# Altium PCB PCB1.PcbDoc (part 1 of 2)
Units mm, origin at the board's own origin, x right, y up, seen from the top; angles counter-clockwise.
Board outline 338.07 x 271.78 mm, 2 copper layers (Top Layer, Bottom Layer); 325 components, 244 nets, 1138 pads, 26 vias.
Unrouted connection lines stored in the file: 636.
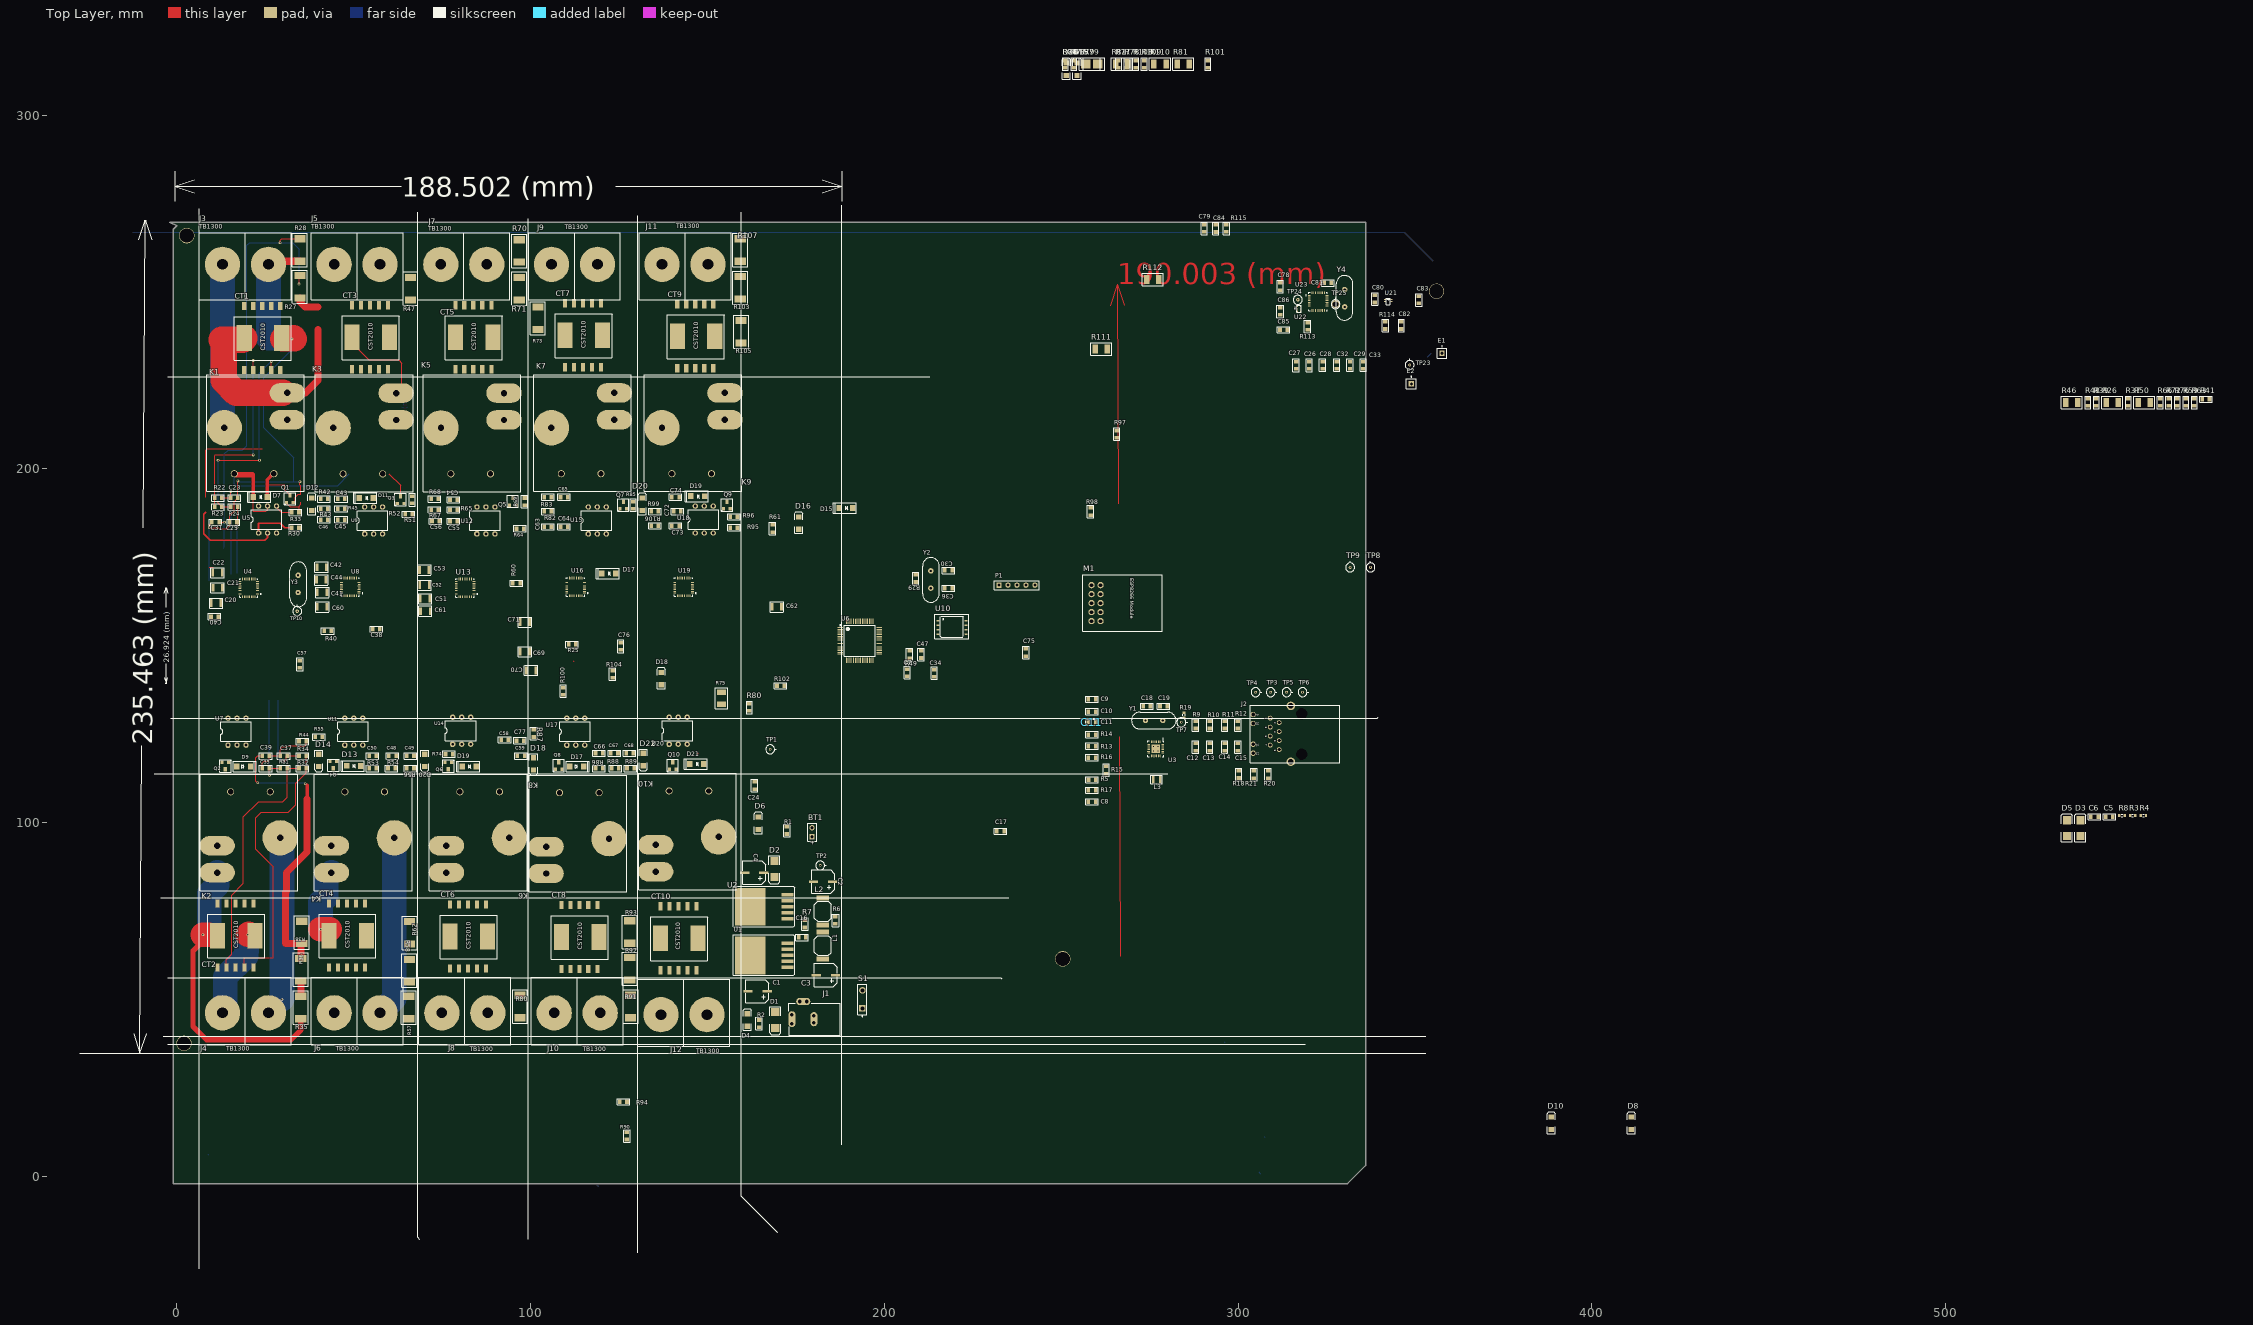
[diagram p0: Top Layer view]
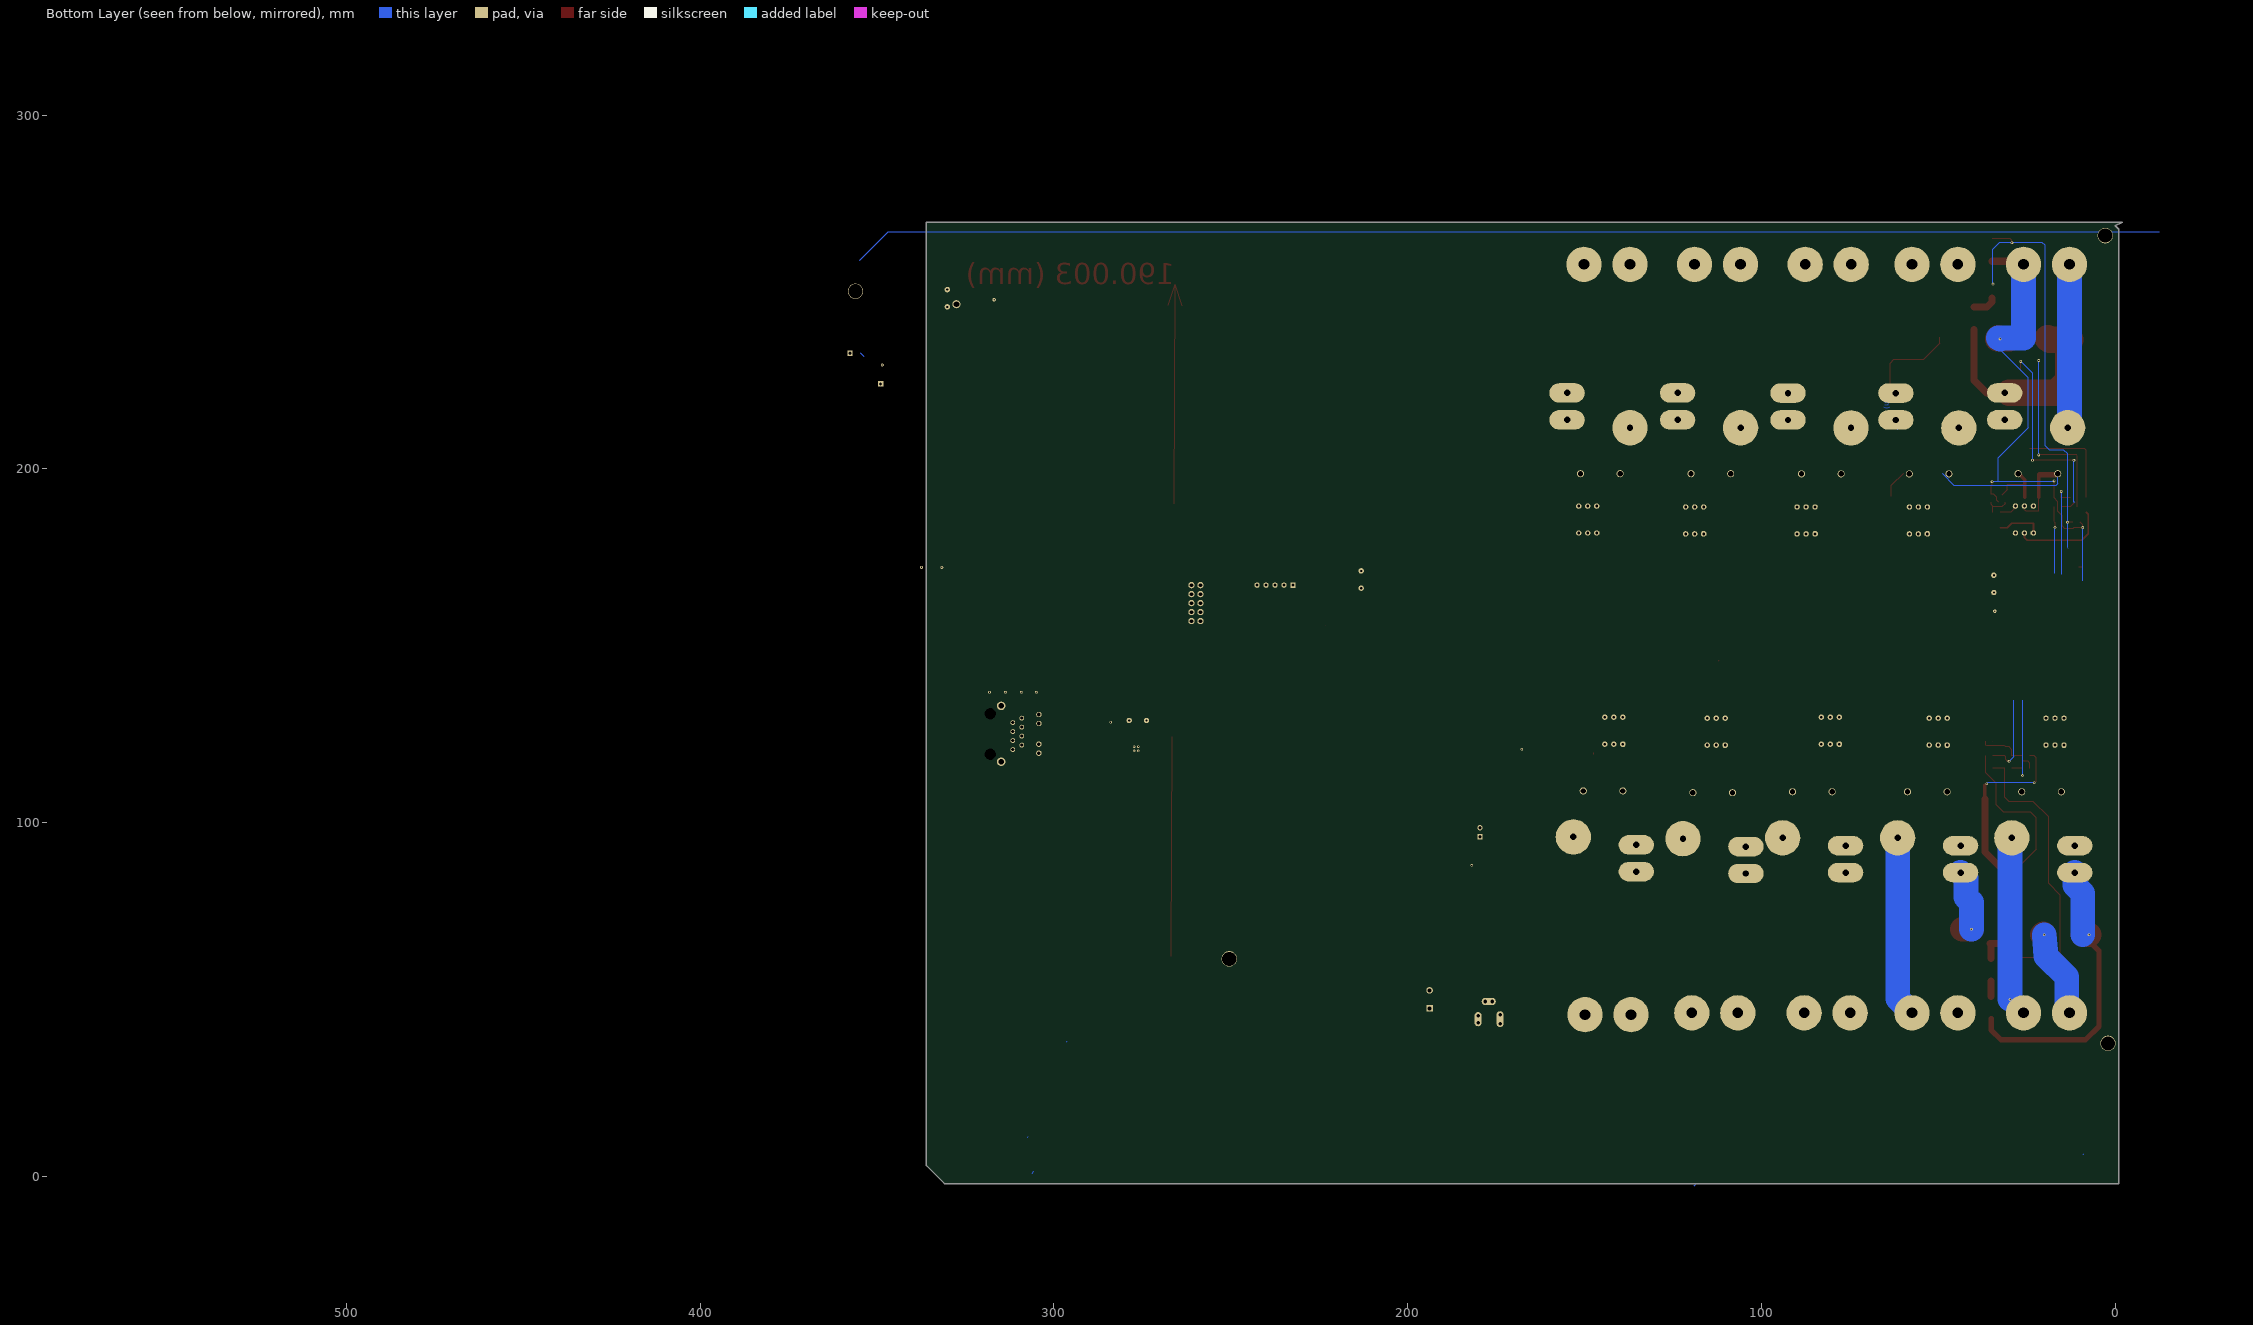
[diagram p1: Bottom Layer view, seen from below]

## Layer stack, top to bottom
Top Layer: signal copper 0.0356
Dielectric: dielectric 0.32, FR-4, Dk 4.8
Bottom Layer: signal copper 0.0356

## Board outline
0,268.732 -1.016,267.716 -1.016,-2.032 330.962,-2.032 336.042,3.048 336.042,269.748 -2.032,269.748

## Design rules (kind name [scope] priority, off if disabled: settings)
Clearance Clearance_1 [All] p1: gap=0.22
Clearance [All] p2: gap=0.2
PolygonConnect [All] p1: connectstyle=Relief reliefconductorwidth=0.254 reliefentries=4 polygonreliefangle="90 Angle" airgapwidth=0.254
RoomDefinition Sheet2 [InComponentClass('Sheet2')] p1: confinementstyle=ConfineIn formatcopy=TRUE lockcomponents=FALSE outline 532.384,104.963 1396.386,104.963 1396.386,221.163 532.384,221.163
RoomDefinition Sheet1 [InComponentClass('Sheet1')] p2: confinementstyle=ConfineIn formatcopy=TRUE lockcomponents=FALSE outline 532.384,63.68 591.24,63.68 591.24,103.13 532.384,103.13
RoomDefinition Sheet4 [InComponentClass('Sheet4')] p3: confinementstyle=ConfineIn formatcopy=TRUE lockcomponents=FALSE outline 250.041,317.979 356.441,317.979 356.441,325.579 250.041,325.579
RoomDefinition Sheet3 [InComponentClass('Sheet3')] p4: confinementstyle=ConfineIn formatcopy=TRUE lockcomponents=FALSE outline 249.941,270.179 883.44,270.179 883.44,316.779 249.941,316.779
RoutingCorners RoutingCorners_1 [All] p1: cornerstyle=45-Degree minsetback=2.54 maxsetback=2.54
RoutingCorners [All] p2: cornerstyle=45-Degree minsetback=2.54 maxsetback=2.54
RoutingTopology RoutingTopology_1 [All] p2: topology=Shortest
RoutingVias [All] p1: holewidth=0.4 width=0.8 viastyle="Through Hole" minholewidth=0.4 minwidth=0.8 maxholewidth=0.4 maxwidth=0.8
SolderMaskExpansion [All] p1: expansion=0.102
ViasUnderSMD [All] p1: allowed=FALSE
Width [InNet('NetC23_2')] p1: maxlimit=0.25 minlimit=0.24 preferedwidth=0.25
27 further rules are at their usual default settings.

## Classes and differential pairs
component class Sheet4: C78 C79 C80 C81 C82 C83 C84 C85 C86 E1 E2 R113 R114 R115 TP23 TP24 TP25 U21 U22 U23 Y4
component class Sheet3: C60 C61 C62 C63 C64 C65 C66 C67 C68 C69 C70 C71 C72 C73 C74 C75 C76 C77 CT7 CT8 CT9 CT10 D15 D16 D17 D18 D19 D20 D21 D22 D23 J9 J10 J11 J12 K7 K8 K9 K10 Q7 Q8 Q9 Q10 R77 R78 R79 R80 R81 R82 R83 R85 R86 R87 R88 R89 R90 R91 R92 R93 R94 R95 R96 R97 R98 R99 R100 R101 R102 R103 R104 R105 R106 R107 R108 R109 R110 R111 R112 U15 U16 U17 U18 U19 U20
component class Sheet2: C20 C21 C22 C23 C24 C25 C26 C27 C28 C29 C30 C31 C32 C33 C34 C35 C36 C37 C38 C39 C40 C41 C42 C43 C44 C45 C46 C47 C48 C49 C50 C51 C52 C53 C54 C55 C56 C57 C58 C59 CT1 CT2 CT3 CT4 CT5 CT6 D4 D6 D7 D9 D11 D12 D13 D14 D15 D16 D17 D18 D19 D20 J3 J4 J5 J6 J7 J8 K1 K2 K3 K4 K5 K6 M1 P1 Q1 Q2 Q3 Q4 Q5 Q6 R22 R23 R24 R25 R27 R28 R29 R30 R31 R32 R33 R34 R35 R36 R38 R40 R42 R43 R44 R45 R47 R49 R51 R52 R53 R54 R55 R56 R57 R58 R60 R61 R62 R64 R65 R67 R68 R69 R70 R71 R73 R74 R75 R77 R78 R79 R80 R81 TP8 TP9 TP10 U4 U5 U6 U7 U8 U9 U10 U11 U12 U13 U14 Y2 Y3
component class Sheet1: BT1 C1 C2 C3 C4 C7 C8 C9 C10 C11 C12 C13 C14 C15 C16 C17 C18 C19 D1 D2 D4 D6 J1 J2 L1 L2 L3 R1 R2 R5 R6 R7 R9 R10 R11 R12 R13 R14 R15 R16 R17 R18 R19 R20 R21 S1 T1 TP1 TP2 TP3 TP4 TP5 TP6 TP7 U1 U2 U3 Y1

## Components (designator, comment, footprint, x,y, rotation, side; value= is the part's Value field where it differs from the comment)
BT1 "Battery" BAT-2 179.578,97.282 r90 top
C1 "100uF" "300uF-6.3V Vishay" 166.878,52.324 r90 top
C2 "300uF" "300uF-6.3V Vishay" 185.42,83.312 r90 top
C3 "100uF" "300uF-6.3V Vishay" 186.182,56.896 r90 top
C4 "300uF" "300uF-6.3V Vishay" 165.928,85.852 r90 top
C5 ".1uF" 0805C-TBD 545.524,101.669 r0 top
C6 ".1uF" 0805C-TBD 541.333,101.669 r0 top
C7 "4.7uF" 0805C-GENERIC 206.492,141.63 r90 top
C8 ".1uF" 0805C-TBD 259.466,105.876 r180 top
C9 "4.7uF" 0805C-GENERIC 259.466,134.876 r180 top
C10 ".1uF" 0805C-TBD 259.466,131.376 r180 top
C11 "4.7uF" 0805C-GENERIC 259.466,128.376 r180 top
C12 "10pF" 0805C-TBD 287.966,120.626 r90 top
C13 "10pF" 0805C-TBD 291.966,120.626 r90 top
C14 "10pF" 0805C-TBD 296.216,120.626 r90 top
C15 "10pF" 0805C-TBD 299.966,120.626 r90 top
C16 "10pF" 0805C-TBD 176.022,67.564 r0 top
C17 ".1uF" 0805C-TBD 232.078,97.578 r0 top
C18 "30pF" 0805C-TBD 273.47,132.876 r0 top
C19 "30pF" 0805C-TBD 279.716,132.876 r180 top
C20 "4.7uF" CapTant-293D 12.446,162.052 r180 top
C21 "4.7uF" CapTant-293D 10.254,166.37 r0 top
C22 "1uF" CapTant-293D 12.86,170.688 r180 top
C23 "10n" 0805C-TBD 17.018,191.77 r180 top
C24 "100nF" 0805C-TBD 163.322,111.252 r270 top
C25 "10n" 0805C-TBD 16.764,184.912 r180 top
C26 "100nF" 0805C-TBD 320.138,228.52 r90 top
C27 "100nF" 0805C-TBD 316.388,230.048 r270 top
C28 "100nF" 0805C-TBD 323.888,228.548 r90 top
C29 "100nF" 0805C-TBD 331.638,228.548 r90 top
C30 "18pF" 0805C-TBD 217.384,171.276 r0 top
C31 "10n" 0805C-TBD 10.16,184.912 r0 top
C32 "100nF" 0805C-TBD 327.888,228.548 r90 top
C33 "100nF" 0805C-TBD 335.388,228.548 r90 top
C34 "100nF" 0805C-TBD 214.122,141.478 r90 top
C35 "10n" 0805C-TBD 24.384,115.316 r0 top
C36 "18pF" 0805C-TBD 217.384,166.276 r0 top
C37 "10n" 0805C-TBD 30.988,118.872 r180 top
C38 "15pF" 0805C-TBD 55.626,154.686 r0 top
C39 "10n" 0805C-TBD 25.908,118.872 r180 top
C40 "15pF" 0805C-TBD 11.43,158.242 r180 top
C41 "4.7uF" CapTant-293D 42.418,165.1 r180 top
C42 "4.7uF" CapTant-293D 39.624,172.212 r0 top
C43 "10n" 0805C-TBD 47.244,191.516 r180 top
C44 "1uF" CapTant-293D 42.164,168.656 r180 top
C45 "10n" 0805C-TBD 47.244,185.674 r180 top
C46 "10n" 0805C-TBD 42.418,185.674 r180 top
C47 ".1uF" 0805C-TBD 210.384,148.304 r270 top
C48 "10n" 0805C-TBD 61.722,118.872 r180 top
C49 "10n" 0805C-TBD 66.802,118.872 r180 top
C50 "10n" 0805C-TBD 56.134,118.872 r180 top
C51 "4.7uF" CapTant-293D 71.534,163.322 r180 top
C52 "4.7uF" CapTant-293D 71.374,167.132 r180 top
C53 "1uF" CapTant-293D 71.28,171.45 r180 top
C54 "10n" 0805C-TBD 77.47,191.262 r0 top
C55 "10n" 0805C-TBD 78.994,185.166 r180 top
C56 "10n" 0805C-TBD 73.914,185.166 r180 top
C57 "10n" 0805C-TBD 34.798,145.542 r270 top
C58 "10n" 0805C-TBD 91.948,123.444 r0 top
C59 "10n" 0805C-TBD 96.52,118.872 r0 top
C60 "4.7uF" CapTant-293D 42.418,161.036 r180 top
C61 "4.7uF" CapTant-293D 68.928,159.766 r0 top
C62 "1uF" CapTant-293D 170.942,161.036 r180 top
C63 "10n" 0805C-TBD 105.664,183.642 r180 top
C64 "10n" 0805C-TBD 108.712,183.642 r0 top
C65 "10n" 0805C-TBD 110.236,192.024 r180 top
C66 "10n" 0805C-TBD 120.142,119.634 r180 top
C67 "10n" 0805C-TBD 122.936,119.634 r0 top
C68 "10n" 0805C-TBD 127.254,119.634 r0 top
C69 "4.7uF" CapTant-293D 99.728,148.336 r180 top
C70 "4.7uF" CapTant-293D 98.806,143.002 r0 top
C71 "1uF" CapTant-293D 99.728,156.718 r180 top
C72 "10n" 0805C-TBD 142.24,187.96 r180 top
C73 "10n" 0805C-TBD 140.208,183.896 r0 top
C74 "10n" 0805C-TBD 141.732,192.024 r180 top
C75 "10n" 0805C-TBD 240.03,147.32 r90 top
C76 "10n" 0805C-TBD 125.476,150.622 r270 top
C77 "10n" 0805C-TBD 97.79,123.19 r180 top
C78 "1uF" 0805C-TBD 311.888,250.798 r90 top
C79 "1uF" 0805C-TBD 290.452,267.24 r90 top
C80 "12pF" 0805C-TBD 338.638,248.798 r270 top
C81 "12pF" 0805C-TBD 326.138,252.548 r180 top
C82 "22pF" 0805C-TBD 346.138,239.798 r90 top
C83 "22pF" 0805C-TBD 351.138,247.02 r90 top
C84 "100nF" 0805C-TBD 293.702,268.74 r270 top
C85 "1uf" 0805C-TBD 312.11,239.298 r0 top
C86 "1uF" 0805C-TBD 311.888,245.298 r270 top
CT1 "CST2010" CST2010 19.05,227.942 r90 top
CT2 "CST2010" CST2010 11.498,59.032 r90 top
CT3 "CST2010" CST2010 49.53,228.196 r90 top
CT4 "CST2010" CST2010 42.994,59.032 r90 top
CT5 "CST2010" CST2010 78.74,228.196 r90 top
CT6 "CST2010" CST2010 77.216,58.778 r90 top
CT7 "CST2010" CST2010 109.728,228.704 r90 top
CT8 "CST2010" CST2010 108.712,58.628 r90 top
CT9 "CST2010" CST2010 141.478,228.45 r90 top
CT10 "CST2010" CST2010 136.72,58.27 r90 top
D1 "1N4007" SMB 169.164,44.196 r270 top
D2 "1N4007" SMB 168.91,86.868 r270 top
D3 "1N5819" SMB 538.096,98.422 r90 top
D4 "LED2" 3.2X1.6X1.1 161.29,44.196 r90 top
D5 "1N5819" SMB 534.288,98.422 r90 top
D6 "LED2" 3.2X1.6X1.1 164.338,99.822 r90 top
D7 "1N4001" DO-214AC 25.515,191.999 r180 top
D8 "LED2" 3.2X1.6X1.1 411.126,15.008 r90 top
D9 "1N4001" DO-214AC 16.903,115.849 r0 top
D10 "LED2" 3.2X1.6X1.1 388.52,15.008 r90 top
D11 "1N4001" DO-214AC 55.487,191.745 r180 top
D12 "LED2" 3.2X1.6X1.1 38.1,189.992 r90 top
D13 "1N4001" DO-214AC 51.931,116.053 r180 top
D14 "LED2" 3.2X1.6X1.1 40.132,117.602 r270 top
D15 "LED2" 3.2X1.6X1.1 254.453,312.971 r90 top
D15 "1N4001" DO-214AC 191.123,188.951 r180 top
D16 "LED2" 3.2X1.6X1.1 251.445,312.971 r90 top
D16 "LED2" 3.2X1.6X1.1 175.768,184.658 r90 top
D17 "1N4001" DO-214AC 124.067,170.409 r180 top
D17 "1N4001" DO-214AC 111.137,115.849 r0 top
D18 "LED2" 3.2X1.6X1.1 136.906,140.688 r90 top
D18 "LED2" 3.2X1.6X1.1 100.838,116.614 r270 top
D19 "1N4001" DO-214AC 84.582,115.824 r180 top
D19 "1N4001" DO-214AC 149.213,192.253 r180 top
D20 "LED2" 3.2X1.6X1.1 70.104,117.602 r270 top
D20 "LED2" 3.2X1.6X1.1 131.572,189.992 r90 top
D21 "1N4001" DO-214AC 148.959,116.561 r180 top
D22 "LED2" 3.2X1.6X1.1 131.826,117.856 r270 top
E1 "ANT" PIN1 357.632,232.664 r0 top
E2 "ANT" PIN1 348.996,224.028 r0 top
J1 "PWR2.5" KLD-0202 187.586,44.434 r180 top
J2 "RJ45" 74990112116A 317.966,125.091 r270 top
J3 "TB1300" TB-1300-0-C 12.908,257.81 r0 top
J4 "TB1300" TB-1300-0-C 25.908,46.228 r180 top
J5 "TB1300" TB-1300-0-C 44.45,257.81 r0 top
J6 "TB1300" TB-1300-0-C 57.45,46.228 r180 top
J7 "TB1300" TB-1300-0-C 74.63,257.81 r0 top
J8 "TB1300" TB-1300-0-C 87.93,46.228 r180 top
J9 "TB1300" TB-1300-0-C 105.918,257.81 r0 top
J10 "TB1300" TB-1300-0-C 119.68,46.228 r180 top
J11 "TB1300" TB-1300-0-C 137.16,257.81 r0 top
J12 "TB1300" TB-1300-0-C 149.86,45.72 r180 top
K1 "Relay-SPDT" JQX-16F 27.442,198.628 r180 top
K2 "Relay-SPDT" JQX-16F 15.216,108.712 r0 top
K3 "Relay-SPDT" JQX-16F 58.196,198.582 r180 top
K4 "Relay-SPDT" JQX-16F 47.498,108.712 r0 top
K5 "Relay-SPDT" JQX-16F 88.676,198.582 r180 top
K6 "Relay-SPDT" JQX-16F 80.01,108.712 r0 top
K7 "Relay-SPDT" JQX-16F 119.888,198.628 r180 top
K8 "Relay-SPDT" JQX-16F 108.18,108.458 r0 top
K9 "Relay-SPDT" JQX-16F 151.14,198.628 r180 top
K10 "Relay-SPDT" JQX-16F 139.168,108.966 r0 top
L1 "330uH" "Ind - ASPI" 182.626,61.468 r90 top
L2 "330uH" "Ind - ASPI" 182.626,71.12 r90 top
L3 "FB1" TOKO-DFE252012C-1U 279.266,111.126 r0 top
M1 "ESP 8266-1" ESP_1 258.572,167.132 r270 top
P1 "Header 5" HDR1X5 232.41,167.132 r0 top
Q1 "MMBT2222" SOT23-BCE 31.039,190.5 r90 top
Q2 "MMBT2222" SOT23-BCE 14.681,117.094 r270 top
Q3 "MMBT2222" SOT23-BCE 62.281,190.246 r90 top
Q4 "MMBT2222" SOT23-BCE 45.212,117.348 r270 top
Q5 "MMBT2222" SOT23-BCE 94.031,189.738 r90 top
Q6 "MMBT2222" SOT23-BCE 77.724,117.094 r270 top
Q7 "MMBT2222" SOT23-BCE 125.273,188.722 r90 top
Q8 "MMBT2222" SOT23-BCE 106.985,115.062 r90 top
Q9 "MMBT2222" SOT23-BCE 154.559,188.722 r90 top
Q10 "MMBT2222" SOT23-BCE 139.243,115.062 r90 top
R1 "Res3" 0805R-15K 172.466,98.552 r270 top
R2 "110" 0805R-47 164.592,42.418 r90 top
R3 "1.68K" J1-0603 552.894,102.022 r0 top
R4 "1K" J1-0603 555.902,102.022 r0 top
R5 "220" 0805R-1K 257.966,112.126 r0 top
R6 "3.1K" 0805R-27 186.182,73.152 r270 top
R7 "Res3" 0805R-6K8 177.546,70.612 r90 top
R8 "1.5K" J1-0603 549.886,102.022 r0 top
R9 "49.9" 0805R-3K9 287.966,126.848 r90 top
R10 "49.9" 0805R-18 291.966,126.848 r90 top
R11 "49.9" 0805R-1K5 296.216,126.848 r90 top
R12 "49.9" 0805R-68 299.966,126.848 r90 top
R13 "100" 0805R-18K 259.466,121.626 r180 top
R14 "100" 0805R-12 259.466,124.876 r180 top
R15 "100" 0805R-6K8 262.716,115.626 r270 top
R16 "100" 0805R-15K 259.466,118.376 r180 top
R17 "33" 0805R-10K 259.716,109.126 r180 top
R18 "4.7k" 0805R-18K 300.216,112.876 r90 top
R19 "12.1k" J1-0603 284.716,130.376 r270 top
R20 "200" 0805R-6K8 308.466,112.848 r90 top
R21 "1M" 0805R-100K 304.466,114.376 r270 top
R22 "1K" 0805R-10 10.922,191.77 r0 top
R23 "1.5 /1W 0.1%" 0805R-6K8 12.446,189.23 r180 top
R24 "1K" 0805R-1K 15.494,189.23 r0 top
R25 "1K" 0805R-4K7 112.522,150.368 r180 top
R26 "175K/ .5W" 1210R-GENERIC 545.402,218.813 r0 top
R27 "100 K /.5W" 2512R-GENERIC 34.798,251.46 r270 top
R28 "3 /.5W  1%" 2512R-GENERIC 34.798,261.874 r270 top
R29 "1M" 0805R-47 208.884,168.276 r90 top
R30 "45" 0805R-68 34.29,183.388 r180 top
R31 "1K" 0805R-12 30.988,115.316 r180 top
R32 "1.5 /1W 0.1%" 0805R-6K8 36.322,115.316 r180 top
R33 "470" 0805R-39 32.766,187.706 r0 top
R34 "1K" 0805R-180 36.322,118.872 r180 top
R35 "175K/ .5W" 2512R-GENERIC 35.052,47.752 r270 top
R36 "100 K /.5W" 2512R-GENERIC 35.052,58.42 r270 top
R37 "2K" 0805R-180 551.625,218.051 r90 top
R38 "3 /.5W  1%" 2512R-GENERIC 35.306,68.961 r90 top
R39 "45" 0805R-120 542.608,218.051 r90 top
R40 "1M" 0805R-10 43.434,154.178 r180 top
R41 "470" 0805R-27K 572.834,219.702 r0 top
R42 "1K" 0805R-10 40.894,191.516 r0 top
R43 "1.5 /1W 0.1%" 0805R-82K 42.418,188.722 r180 top
R44 "2K" 0805R-270K 36.322,122.936 r180 top
R45 "1K" 0805R-3K3 45.72,188.722 r0 top
R46 "175K/ .5W" 1210R-GENERIC 533.971,218.813 r0 top
R47 "100 K /.5W" 2512R-GENERIC 66.04,250.952 r90 top
R48 "45" 0805R-3K3 540.195,218.051 r90 top
R49 "10k" 0805R-2K7 207.134,146.776 r90 top
R50 "3 /.5W  1%" 1210C-GENERIC 554.419,218.813 r0 top
R51 "470" 0805R-1K8 64.77,187.198 r0 top
R52 "2K" 0805R-1K8 66.548,192.024 r270 top
R53 "1K" 0805C-GENERIC 56.134,115.316 r180 top
R54 "1.5 /1W 0.1%" 0805R-2K7 61.468,115.316 r180 top
R55 "45" 0805R-2K7 40.894,124.206 r180 top
R56 "1K" 0805R-2K7 65.278,115.316 r0 top
R57 "175K/ .5W" 2512R-GENERIC 65.532,47.752 r270 top
R58 "100 K /.5W" 2512R-GENERIC 65.786,58.166 r270 top
R59 "470" 0805R-2K7 567.881,218.051 r90 top
R60 "200" 0805R-10 95.25,167.64 r0 top
R61 "200" 0805R-1K 168.402,183.896 r270 top
R62 "3 /.5W  1%" 2512R-GENERIC 65.786,68.834 r90 top
R63 "2K" 0805R-1K 570.294,218.051 r90 top
R64 "45" 0805R-1K 97.79,183.134 r180 top
R65 "1K" 0805R-10 77.47,188.468 r0 top
R66 "470" 0805R-1K 560.642,218.051 r90 top
R67 "1.5 /1W 0.1%" 0805R-390K 72.136,188.468 r0 top
R68 "1K" 0805R-22 72.136,191.516 r0 top
R69 "2K" 0805R-820 98.298,189.992 r90 top
R70 "175K/ .5W" 2512R-GENERIC 96.774,261.62 r90 top
R71 "100 K /.5W" 2512R-GENERIC 96.774,250.952 r90 top
R72 "45" 0805R-390K 563.055,218.051 r90 top
R73 "3 /.5W  1%" 2512R-GENERIC 102.108,242.57 r270 top
R74 "470" 0805R-2K2 76.2,119.38 r0 top
R75 "1K" 1210R-GENERIC 153.924,136.906 r270 top
R76 "2K" 0805R-18 565.468,218.051 r90 top
R77 "1K" 0805R-10 253.561,313.668 r90 top
R77 "1.5 /1W 0.1%" 0805R-10 266.181,313.668 r90 top
R78 "1.5 /1W 0.1%" 0805R-1K 251.148,313.668 r90 top
R78 "1K" 0805R-1K 268.594,313.668 r90 top
R79 "1K" 1210R-GENERIC 256.355,314.43 r0 top
R79 "175K/ .5W" 1210R-GENERIC 257.545,314.43 r0 top
R80 "100 K /.5W" 0805R-10 161.798,131.826 r90 top
R80 "45" 2512R-GENERIC 97.028,48.006 r270 top
R81 "175K/ .5W" 1210C-GENERIC 265.372,314.43 r0 top
R81 "3 /.5W  1%" 1210C-GENERIC 282.818,314.43 r0 top
R82 "100 K /.5W" 0805R-GENERIC 105.664,187.96 r180 top
R83 "3 /.5W  1%" 0805R-820 104.14,192.024 r0 top
R84 "470" 0805R-100 251.148,313.668 r90 top
R85 "470" 0805R-3K9 129.032,188.976 r90 top
R86 "1K" 0805R-GENERIC 120.142,115.316 r180 top
R87 "45" 0805R-GENERIC 100.838,125.984 r270 top
R88 "1.5 /1W 0.1%" 0805R-GENERIC 124.714,115.316 r180 top
R89 "1K" 0805R-100 127.508,115.316 r0 top
R90 "470" 0805R-2K7 127.254,12.192 r270 top
R91 "175K/ .5W" 2512R-GENERIC 128.27,48.006 r270 top
R92 "100 K /.5W" 2512R-GENERIC 128.016,58.674 r270 top
R93 "3 /.5W  1%" 2512R-GENERIC 128.016,69.088 r90 top
R94 "470" 0805R-12K 127,21.082 r180 top
R95 "45" 0805R-10K 158.496,183.388 r180 top
R96 "470" 0805R-3K3 156.718,186.436 r0 top
R97 "1K" 0805R-15 265.684,210.566 r270 top
R98 "470" 0805R-39 258.318,188.722 r270 top
R99 "1.5 /1W 0.1%" 0805R-10 134.366,187.96 r0 top
R100 "45" 0805R-10 109.22,137.922 r270 top
R101 "1K" 0805R-1K 291.454,313.668 r90 top
R102 "175K/ .5W" 0805R-GENERIC 171.45,138.684 r180 top
R103 "100 K /.5W" 2512R-GENERIC 159.258,251.206 r90 top
R104 "470" 0805R-3K9 123.19,142.748 r270 top
R105 "3 /.5W  1%" 2512R-GENERIC 159.512,238.76 r270 top
R106 "470" 0805R-10 134.366,183.896 r0 top
R107 "1K" 2512R-GENERIC 159.258,261.874 r90 top
R108 "1.5 /1W 0.1%" 0805R-10 271.007,313.668 r90 top
R109 "1K" 0805R-1K 273.42,313.668 r90 top
R110 "175K/ .5W" 1210R-GENERIC 276.214,314.43 r0 top
R111 "100 K /.5W" 1210C-GENERIC 259.588,233.934 r0 top
R112 "3 /.5W  1%" 1210C-GENERIC 274.193,253.492 r0 top
R113 "2.2k" 0805R-18K 319.638,241.048 r270 top
R114 "2.2k" 0805R-10K 341.638,239.548 r90 top
R115 "2.2k" 0805R-1K5 296.702,267.24 r90 top
S1 "SW-SPST" SPST-2 193.802,50.038 r90 top
TP1 "TESTPOINT" TESTPOINT#1 167.734,120.712 r0 top
TP2 "TESTPOINT" TESTPOINT#2 181.864,87.884 r0 top
TP3 "TESTPOINT" TESTPOINT#3 309.216,136.876 r0 top
TP4 "TESTPOINT" TESTPOINT#3 304.966,136.876 r0 top
TP5 "TESTPOINT" TESTPOINT#3 313.716,136.876 r0 top
TP6 "TESTPOINT" TESTPOINT#3 318.216,136.876 r0 top
TP7 "TESTPOINT" TESTPOINT#4 283.966,128.376 r0 top
TP8 "TESTPOINT" TESTPOINT#3 337.432,172.14 r90 top
TP9 "TESTPOINT" TESTPOINT#3 331.682,172.14 r90 top
TP10 "TESTPOINT" TESTPOINT#5 34.036,159.766 r90 top
TP23 "TESTPOINT" TESTPOINT#3 348.488,229.362 r90 top
TP24 "TESTPOINT" TESTPOINT#6 316.888,247.798 r90 top
TP25 "TESTPOINT" TESTPOINT#7 327.554,246.54 r90 top
U1 "LM2575" TO-263/KTT 162.052,62.484 r90 top
U2 "LM2575" TO-263/KTT 162.052,76.2 r90 top
U3 "LAN8720" QFN24_4X4_N 276.716,120.876 r270 top
U4 "STPM34" 32M1-A_N 20.32,166.37 r180 top
U5 "4N25" 4N25 23.114,181.864 r0 top
U6 "PIC32MX795" LQFP-64_L 193.04,151.384 r0 top
U7 "4N25" 4N25 14.478,121.92 r0 top
U8 "STPM34" 32M1-A_N 49.022,166.624 r180 top
U9 "4N25" 4N25 53.086,181.61 r0 top
U10 "MX23L128-WSON8" MX25L128 215.134,153.256 r0 top
U11 "4N25" 4N25 47.498,121.92 r0 top
U12 "4N25" 4N25 84.836,181.61 r0 top
U13 "STPM34" 32M1-A_N 81.494,166.374 r180 top
U14 "4N25" 4N25 77.978,122.174 r0 top
U15 "4N25" 4N25 116.332,181.61 r0 top
U16 "STPM34" 32M1-A_N 112.736,166.628 r180 top
U17 "4N25" 4N25 110.236,121.92 r0 top
U18 "4N25" 4N25 146.558,181.864 r0 top
U19 "STPM34" 32M1-A_N 143.256,166.624 r180 top
U20 "4N25" 4N25 139.192,122.174 r0 top
U21 "AS222-92" AS222-92 341.838,247.923 r270 top
U22 "2450FB1" 2450FB1 316.613,246.298 r270 top
U23 "AT86RF231-ZU" 32M1-A_N 322.638,247.298 r0 top
Y1 "25 MHz" xt49s 273.836,128.876 r0 top
Y2 "8Mhz" xt49s 213.134,166.276 r90 top
Y3 "16Mhz" xt49s 34.29,165.046 r90 top
Y4 "16Mhz" xt49s 330.138,250.678 r270 top

## Footprints (in the part's own frame and the unit in brackets; to place one, negate y for a bottom-side part, rotate by r counter-clockwise, add the part's x,y. Pads: shape width x height; smd on the part's side, far side on the other; paste and mask are expansions set on the pad)
3.2X1.6X1.1 [mm] "SMT LED; 2 Flat Leads"
  rect 1.5x1.5 smd: 1(-1.75,0) 2(1.75,0)
  silkscreen extent -2.9,-1.15 3.2,1.15
4N25 [mil]
  oct 60x60 hole 30: 1(0,0)
  round 60 hole 30: 2(100,0) 3(200,0) 4(200,300) 5(100,300) 6(0,300)
  silkscreen extent -80,40 260,260
32M1-A_N [mm] "32-Pin Quad Flat No-Lead 0.5 mm Pitch, IPC Medium Density"
  oval 0.8x0.25 smd: 1(-2.5,1.75) 2(-2.5,1.25) 3(-2.5,0.75) 4(-2.5,0.25) 5(-2.5,-0.25) 6(-2.5,-0.75) 7(-2.5,-1.25) 8(-2.5,-1.75) 17(2.5,-1.75) 18(2.5,-1.25) 19(2.5,-0.75) 20(2.5,-0.25) 21(2.5,0.25) 22(2.5,0.75) 23(2.5,1.25) 24(2.5,1.75)
  oval 0.25x0.8 smd: 9(-1.75,-2.5) 10(-1.25,-2.5) 11(-0.75,-2.5) 12(-0.25,-2.5) 13(0.25,-2.5) 14(0.75,-2.5) 15(1.25,-2.5) 16(1.75,-2.5) 25(1.75,2.5) 26(1.25,2.5) 27(0.75,2.5) 28(0.25,2.5) 29(-0.25,2.5) 30(-0.75,2.5) 31(-1.25,2.5) 32(-1.75,2.5)
  silkscreen extent -3.58,-2.6 2.6,2.6, body extent -2.58,-2.58 2.58,2.58, height 1
"300uF-6.3V Vishay" [mm] "polar capacitor"
  rect 0.65x2.6 smd: 1(0,0) 2(0,5.4)
  silkscreen extent -3.3,-0.5 3.3,6
0805C-GENERIC [mil] "CAPACITOR 0805"
  rect 40x50 smd: 1(-10,0) 2(70,0)
  silkscreen extent -40,-35 100,35, body extent -11,-25 70,25, height 26
0805C-TBD [mil] "CAPACITOR 0805"
  rect 40x50 smd: 1(-10,0) 2(70,0)
  silkscreen extent -40,-35 100,35, body extent -11,-25 70,25, height 26
0805R-1K [mil] "RESISTOR 0805"
  rect 40x50 smd: 1(-10,0) 2(70,0)
  silkscreen extent -40,-35 100,35, body extent -11,-25 70,25, height 27
0805R-1K5 [mil] "RESISTOR 0805"
  rect 40x50 smd: 1(-10,0) 2(70,0)
  silkscreen extent -40,-35 100,35, body extent -11,-25 70,25, height 27
0805R-1K8 [mil] "RESISTOR 0805"
  rect 40x50 smd: 1(-10,0) 2(70,0)
  silkscreen extent -40,-35 100,35, body extent -11,-25 70,25, height 27
0805R-2K2 [mil] "RESISTOR 0805"
  rect 40x50 smd: 1(-10,0) 2(70,0)
  silkscreen extent -40,-35 100,35, body extent -11,-25 70,25, height 27
0805R-2K7 [mil] "RESISTOR 0805"
  rect 40x50 smd: 1(-10,0) 2(70,0)
  silkscreen extent -40,-35 100,35, body extent -11,-25 70,25, height 27
0805R-3K3 [mil] "RESISTOR 0805"
  rect 40x50 smd: 1(-10,0) 2(70,0)
  silkscreen extent -40,-35 100,35, body extent -11,-25 70,25, height 27
0805R-3K9 [mil] "RESISTOR 0805"
  rect 40x50 smd: 1(-10,0) 2(70,0)
  silkscreen extent -40,-35 100,35, body extent -11,-25 70,25, height 27
0805R-4K7 [mil] "RESISTOR 0805"
  rect 40x50 smd: 1(-10,0) 2(70,0)
  silkscreen extent -40,-35 100,35, body extent -11,-25 70,25, height 27
0805R-6K8 [mil] "RESISTOR 0805"
  rect 40x50 smd: 1(-10,0) 2(70,0)
  silkscreen extent -40,-35 100,35, body extent -11,-25 70,25, height 27
0805R-10 [mil] "RESISTOR 0805"
  rect 40x50 smd: 1(-10,0) 2(70,0)
  silkscreen extent -40,-35 100,35, body extent -11,-25 70,25, height 27
0805R-10K [mil] "RESISTOR 0805"
  rect 40x50 smd: 1(0,0) 2(80,0)
  silkscreen extent -30,-35 110,35, body extent -1,-25 80,25, height 27
0805R-12 [mil] "RESISTOR 0805"
  rect 40x50 smd: 1(-10,0) 2(70,0)
  silkscreen extent -40,-35 100,35, body extent -11,-25 70,25, height 27
0805R-12K [mil] "RESISTOR 0805"
  rect 40x50 smd: 1(-10,0) 2(70,0)
  silkscreen extent -40,-35 100,35, body extent -11,-25 70,25, height 27
0805R-15 [mil] "RESISTOR 0805"
  rect 40x50 smd: 1(-10,0) 2(70,0)
  silkscreen extent -40,-35 100,35, body extent -11,-25 70,25, height 27
0805R-15K [mil] "RESISTOR 0805"
  rect 40x50 smd: 1(-10,0) 2(70,0)
  silkscreen extent -40,-35 100,35, body extent -11,-25 70,25, height 27
0805R-18 [mil] "RESISTOR 0805"
  rect 40x50 smd: 1(-10,0) 2(70,0)
  silkscreen extent -40,-35 100,35, body extent -11,-25 70,25, height 27
0805R-18K [mil] "RESISTOR 0805"
  rect 40x50 smd: 1(-10,0) 2(70,0)
  silkscreen extent -40,-35 100,35, body extent -11,-25 70,25, height 27
0805R-22 [mil] "RESISTOR 0805"
  rect 40x50 smd: 1(-10,0) 2(70,0)
  silkscreen extent -40,-35 100,35, body extent -11,-25 70,25, height 27
0805R-27 [mil] "RESISTOR 0805"
  rect 40x50 smd: 1(-10,0) 2(70,0)
  silkscreen extent -40,-35 100,35, body extent -11,-25 70,25, height 27
0805R-27K [mil] "RESISTOR 0805"
  rect 40x50 smd: 1(-10,0) 2(70,0)
  silkscreen extent -40,-35 100,35, body extent -11,-25 70,25, height 27
0805R-39 [mil] "RESISTOR 0805"
  rect 40x50 smd: 1(-10,0) 2(70,0)
  silkscreen extent -40,-35 100,35, body extent -11,-25 70,25, height 27
0805R-47 [mil] "RESISTOR 0805"
  rect 40x50 smd: 1(-10,0) 2(70,0)
  silkscreen extent -40,-35 100,35, body extent -11,-25 70,25, height 27
0805R-68 [mil] "RESISTOR 0805"
  rect 40x50 smd: 1(-10,0) 2(70,0)
  silkscreen extent -40,-35 100,35, body extent -11,-25 70,25, height 27
0805R-82K [mil] "RESISTOR 0805"
  rect 40x50 smd: 1(-10,0) 2(70,0)
  silkscreen extent -40,-35 100,35, body extent -11,-25 70,25, height 27
0805R-100 [mil] "RESISTOR 0805"
  rect 40x50 smd: 1(-10,0) 2(70,0)
  silkscreen extent -40,-35 100,35, body extent -11,-25 70,25, height 27
0805R-100K [mil] "RESISTOR 0805"
  rect 40x50 smd: 1(-10,0) 2(70,0)
  silkscreen extent -40,-35 100,35, body extent -11,-25 70,25, height 27
0805R-120 [mil] "RESISTOR 0805"
  rect 40x50 smd: 1(-10,0) 2(70,0)
  silkscreen extent -40,-35 100,35, body extent -11,-25 70,25, height 27
0805R-180 [mil] "RESISTOR 0805"
  rect 40x50 smd: 1(-10,0) 2(70,0)
  silkscreen extent -40,-35 100,35, body extent -11,-25 70,25, height 27
0805R-270K [mil] "RESISTOR 0805"
  rect 40x50 smd: 1(-10,0) 2(70,0)
  silkscreen extent -40,-35 100,35, body extent -11,-25 70,25, height 27
0805R-390K [mil] "RESISTOR 0805"
  rect 40x50 smd: 1(-10,0) 2(70,0)
  silkscreen extent -40,-35 100,35, body extent -11,-25 70,25, height 27
0805R-820 [mil] "RESISTOR 0805"
  rect 40x50 smd: 1(-10,0) 2(70,0)
  silkscreen extent -40,-35 100,35, body extent -11,-25 70,25, height 27
0805R-GENERIC [mil] "RESISTOR 0805"
  rect 40x50 smd: 1(-10,0) 2(70,0)
  silkscreen extent -40,-35 100,35, body extent -11,-25 70,25, height 27
1210C-GENERIC [mil]
  rect 60x100 smd: 1(0,0) 2(135,0)
  silkscreen extent -50,-70 185,70, body extent -10,-50 145,50, height 46
1210R-GENERIC [mil]
  rect 60x100 smd: 1(0,0) 2(135,0)
  silkscreen extent -50,-70 185,70
2450FB1 [mm]
  rect 0.3x0.3 smd: 1(1.75,1.025) 2(1.1,1.025) 3(0.45,1.025) 4(0.45,0.225) 5(1.1,0.225) 6(1.75,0.225)
  silkscreen extent 0,0 2,1.25
2512R-GENERIC [mil]
  rect 80x125 smd: 1(-125,0) 2(125,0)
  silkscreen extent -186,-84 185,83, body extent -139,-61 136,61, height 19
74990112116A [mm] "RJ45 LAN Transformer, 10/100 Base-T"
  round 1.35 hole 0.9: 1(-4.445,-8.89) 2(-3.175,-6.35) 3(-1.905,-8.89) 4(-0.635,-6.35) 5(0.635,-8.89) 6(1.905,-6.35) 7(3.175,-8.89) 8(4.445,-6.35)
  round 1.52 hole 1.02: 9(-5.465,-13.72) 10(-2.925,-13.72) 11(2.925,-13.72) 12(5.465,-13.72)
  round 2.4 hole 1.6: ""(-7.9,-3.05) ""(7.9,-3.05)
  round 0 hole 3.25 unplated: ""(-5.715,0) ""(5.715,0)
  silkscreen extent -8.1,-14.5 8.1,10.8, body extent -10.16,-14.61 10.39,10.69, height 15.78
AS222-92 [mm]
  rect 0.26x0.6 smd: 1(0,-0.3) 2(0.625,-0.3) 3(1.25,-0.3) 4(1.25,1.55) 5(0.625,1.55) 6(0,1.55)
  silkscreen extent -0.35,0.05 1.55,1.15
BAT-2 [mm] "Battery; 2 Leads"
  rect 1.5x1.5 hole 0.9: 1(-1.27,0)
  round 1.5 hole 0.9: 2(1.27,0)
  silkscreen extent -2.54,-1.27 2.54,1.27
CapTant-293D [mm] "tantal capacitor 4.7uF-Vishay"
  rect 0.8x2.2 smd: 1(0,0) 2(2.7,0)
  silkscreen extent -0.6,-1.4 3.2,1.5
CST2010 [mm] "current transformer"
  rect 2.34x1.19 smd: 1(0,0) 2(0,-2.54) 3(0,-5.08) 4(0,-7.62) 5(0,-10.18) 6(18.08,-10.18) 7(18.08,-7.62) 8(18.08,-5.08) 9(18.08,-2.54) 10(18.08,0)
  rect 7.24x4.27 smd: 11(9.04,0) 12(9.04,-10.6)
  silkscreen extent 2.7,-13.3 15.1,2.8
DO-214AC [mm] "SMD 1N4001"
  rect 1.55x1.67 smd: 1(0,0) 2(3.925,-0.025)
  silkscreen extent -1,-1.5 5.5,1.5
ESP_1 [mil]
  round 70 hole 40: 1(0,0) 2(100,0) 3(200,0) 4(300,0) 5(400,0) 6(0,100) 7(100,100) 8(200,100) 9(300,100) 10(400,100)
  silkscreen extent -118,-98 512,787
HDR1X5 [mm] "Connector; Header; 5 Position"
  rect 1.5x1.5 hole 0.9: 1(0,0)
  round 1.5 hole 0.9: 2(2.54,0) 3(5.08,0) 4(7.62,0) 5(10.16,0)
  silkscreen extent -1.27,-1.27 11.43,1.27
"Ind - ASPI" [mm] "Inductor PS"
  rect 1.4x3.56 smd: 1(0,0) 2(7.62,0)
  silkscreen extent 1,-2.3 6.6,2.4
J1-0603 [mm] "Chip Resistor, Body 1.6x0.8mm, IPC High Density"
  rect 0.7x0.9 smd: 1(-0.75,0) 2(0.75,0)
  silkscreen extent -0.2,-0.35 0.2,0.35, body extent -0.85,-0.48 0.85,0.48, height 0.9
JQX-16F [mm] "power relay"
  round 10 hole 1.8: 1(14,-13)
  oval 10x5.5 hole 1.8: 2(-3.8,-22.84) 3(-3.8,-15.24)
  round 2 hole 1.5: 4(11.2,0) 5(0,0)
  silkscreen extent -8.6,-28 19,5
KLD-0202 [mm] "DC Power Jack, 2.5mm, KLD Series, PCB Mount"
  oval 2x4.5 all layers, no hole: 1(13.7,0)
  round 1.5 hole 1: 1A(13.7,-1.25) 1B(13.7,1.25) 2A(7.5,-1) 2B(7.5,1) 3A(9.5,-5) 3B(11.5,-5)
  oval 2x4 all layers, no hole: 2(7.5,0)
  oval 4x2 all layers, no hole: 3(10.5,-5)
  silkscreen extent 0,-4.5 14.6,4.5
LQFP-64_L [mm] "Thin QFP, 64-Leads, Body 10x10mm, Pitch 0.5mm, IPC High Density"
  oval 1.55x0.25 smd: 1(-5.525,3.75) 2(-5.525,3.25) 3(-5.525,2.75) 4(-5.525,2.25) 5(-5.525,1.75) 6(-5.525,1.25) 7(-5.525,0.75) 8(-5.525,0.25) 9(-5.525,-0.25) 10(-5.525,-0.75) 11(-5.525,-1.25) 12(-5.525,-1.75) 13(-5.525,-2.25) 14(-5.525,-2.75) 15(-5.525,-3.25) 16(-5.525,-3.75) 33(5.525,-3.75) 34(5.525,-3.25) 35(5.525,-2.75) 36(5.525,-2.25) 37(5.525,-1.75) 38(5.525,-1.25) 39(5.525,-0.75) 40(5.525,-0.25) 41(5.525,0.25) 42(5.525,0.75) 43(5.525,1.25) 44(5.525,1.75) 45(5.525,2.25) 46(5.525,2.75) 47(5.525,3.25) 48(5.525,3.75)
  oval 0.25x1.55 smd: 17(-3.75,-5.525) 18(-3.25,-5.525) 19(-2.75,-5.525) 20(-2.25,-5.525) 21(-1.75,-5.525) 22(-1.25,-5.525) 23(-0.75,-5.525) 24(-0.25,-5.525) 25(0.25,-5.525) 26(0.75,-5.525) 27(1.25,-5.525) 28(1.75,-5.525) 29(2.25,-5.525) 30(2.75,-5.525) 31(3.25,-5.525) 32(3.75,-5.525) 49(3.75,5.525) 50(3.25,5.525) 51(2.75,5.525) 52(2.25,5.525) 53(1.75,5.525) 54(1.25,5.525) 55(0.75,5.525) 56(0.25,5.525) 57(-0.25,5.525) 58(-0.75,5.525) 59(-1.25,5.525) 60(-1.75,5.525) 61(-2.25,5.525) 62(-2.75,5.525) 63(-3.25,5.525) 64(-3.75,5.525)
  silkscreen extent -5.65,-4.35 4.35,4.55, body extent -5,-5 5,5, height 1.6
MX25L128 [mm] "epprom marcronix"
  rrect50% 0.8x0.45 smd: 1(0,3.81) 2(0,2.52) 3(0,1.27) 4(0,0) 5(8,0) 6(8,1.27) 7(8,2.54) 8(8,3.81)
  silkscreen extent -0.9,-1.3 8.8,5.6
PIN1 [mm] "Generic Antenna; 1 Lead"
  rect 1.5x1.5 hole 0.9: 1(0,0)
  silkscreen extent -1.4,-1.4 1.4,2.17
QFN24_4X4_N [mm] "QFN, 24-Leads, Body 4x4mm, Pitch 0.5mm, IPC Medium Density"
  oval 0.8x0.25 smd: 1(-2,1.25) 2(-2,0.75) 3(-2,0.25) 4(-2,-0.25) 5(-2,-0.75) 6(-2,-1.25) 13(2,-1.25) 14(2,-0.75) 15(2,-0.25) 16(2,0.25) 17(2,0.75) 18(2,1.25)
  oval 0.25x0.8 smd: 7(-1.25,-2) 8(-0.75,-2) 9(-0.25,-2) 10(0.25,-2) 11(0.75,-2) 12(1.25,-2) 19(1.25,2) 20(0.75,2) 21(0.25,2) 22(-0.25,2) 23(-0.75,2) 24(-1.25,2)
  rect 2.3x2.3 smd: 25(0,0)
  silkscreen extent -3,-2.22 2.22,2.22, body extent -2.07,-2.07 2.07,2.07, height 1
SMB [mm] "DO-214-AA/SMB; 2 C-Bend Leads; Body 5.3 x 3.6 mm, inc. leads (LxW)"
  rect 2.3x2.3 smd: 1(-2.25,0) 2(2.25,0)
  silkscreen extent -3.8,-1.55 4.1,1.55
SOT23-BCE [mil]
  rect 36x36 smd: B(0,0) E(0,-75)
  rect 50x36 smd: C(80,-38)
  silkscreen extent -25,-100 110,25, body extent -3,-95 94,20, height 41
SPST-2 [mm] "Switch; 2 Leads"
  rect 1.85x1.85 hole 1.1: 1(-2.54,0)
  round 1.85 hole 1.1: 2(2.54,0)
  silkscreen extent -4.89,-1.27 4.28,1.27
TB-1300-0-C [mm] "terminal block"
  round 10 hole 3: 1(0,0) 2(13,0)
  silkscreen extent -6.5,-10 19.5,9
TESTPOINT#1 [mm]
  round 0.7 hole 0.4: 1(0,0)
  silkscreen extent -1.27,-1.27 1.78,1.27, body extent -1.37,-1.32 1.37,1.32, height 6.45
TESTPOINT#2 [mm]
  oct 0.7x0.7 hole 0.4: 1(0,0)
  silkscreen extent -1.27,-1.27 1.78,1.27, body extent -1.37,-1.32 1.37,1.32, height 6.45
TESTPOINT#3 [mm]
  round 0.8 hole 0.4: 1(0,0)
  silkscreen extent -1.27,-1.27 1.78,1.27, body extent -1.37,-1.32 1.37,1.32, height 6.45
TESTPOINT#4 [mm]
  oct 0.7x0.7 hole 0.3: 1(0,0)
  silkscreen extent -1.27,-1.27 1.78,1.27, body extent -1.37,-1.32 1.37,1.32, height 6.45
TESTPOINT#5 [mm]
  oct 1x1 hole 0.4: 1(0,0)
  silkscreen extent -1.27,-1.27 1.78,1.27, body extent -1.37,-1.32 1.37,1.32, height 6.45
TESTPOINT#6 [mm]
  round 1 hole 0.4: 1(0,0)
  silkscreen extent -1.27,-1.27 1.78,1.27, body extent -1.37,-1.32 1.37,1.32, height 6.45
TESTPOINT#7 [mm]
  round 2.286 hole 1.651: 1(0,0)
  silkscreen extent -1.27,-1.27 1.78,1.27, body extent -1.37,-1.32 1.37,1.32, height 6.45
TO-263/KTT [mm] "TO-263/KTT5 pins"
  rect 10.7x8.6 smd: 0(0,0)
  rect 1x3.4 smd: 1(-3.4,-10.6) 2(-1.7,-10.6) 3(0,-10.6) 4(1.7,-10.6) 5(3.4,-10.6)
  silkscreen extent -5.7,-12.6 5.8,4.7
TOKO-DFE252012C-1U [mm] "TOKO INDUCTOR DFE252012 SERIES"
  rect 0.7x2 smd mask+0.051: 1(-3.3,1) 2(-1.3,1)
  silkscreen extent -3.9,-0.2 -0.7,2.2, body extent -3.55,0 -1.05,2, height 1.21
xt49s [mil] "quartz"
  round 60 hole 24.41: 1(0,0) 2(192.13,0)
  silkscreen extent -156,-94 340,92